# Altium PCB Sampling_Board.PcbDoc
Units mil, origin at the board's own origin, x right, y up, seen from the top; angles counter-clockwise.
Board outline 1653.54 x 1968.5 mil, 4 copper layers (Top Layer, GND, Power, Bottom Layer), stack 23.756 mil thick; 22 components, 50 nets, 170 pads, 145 vias.
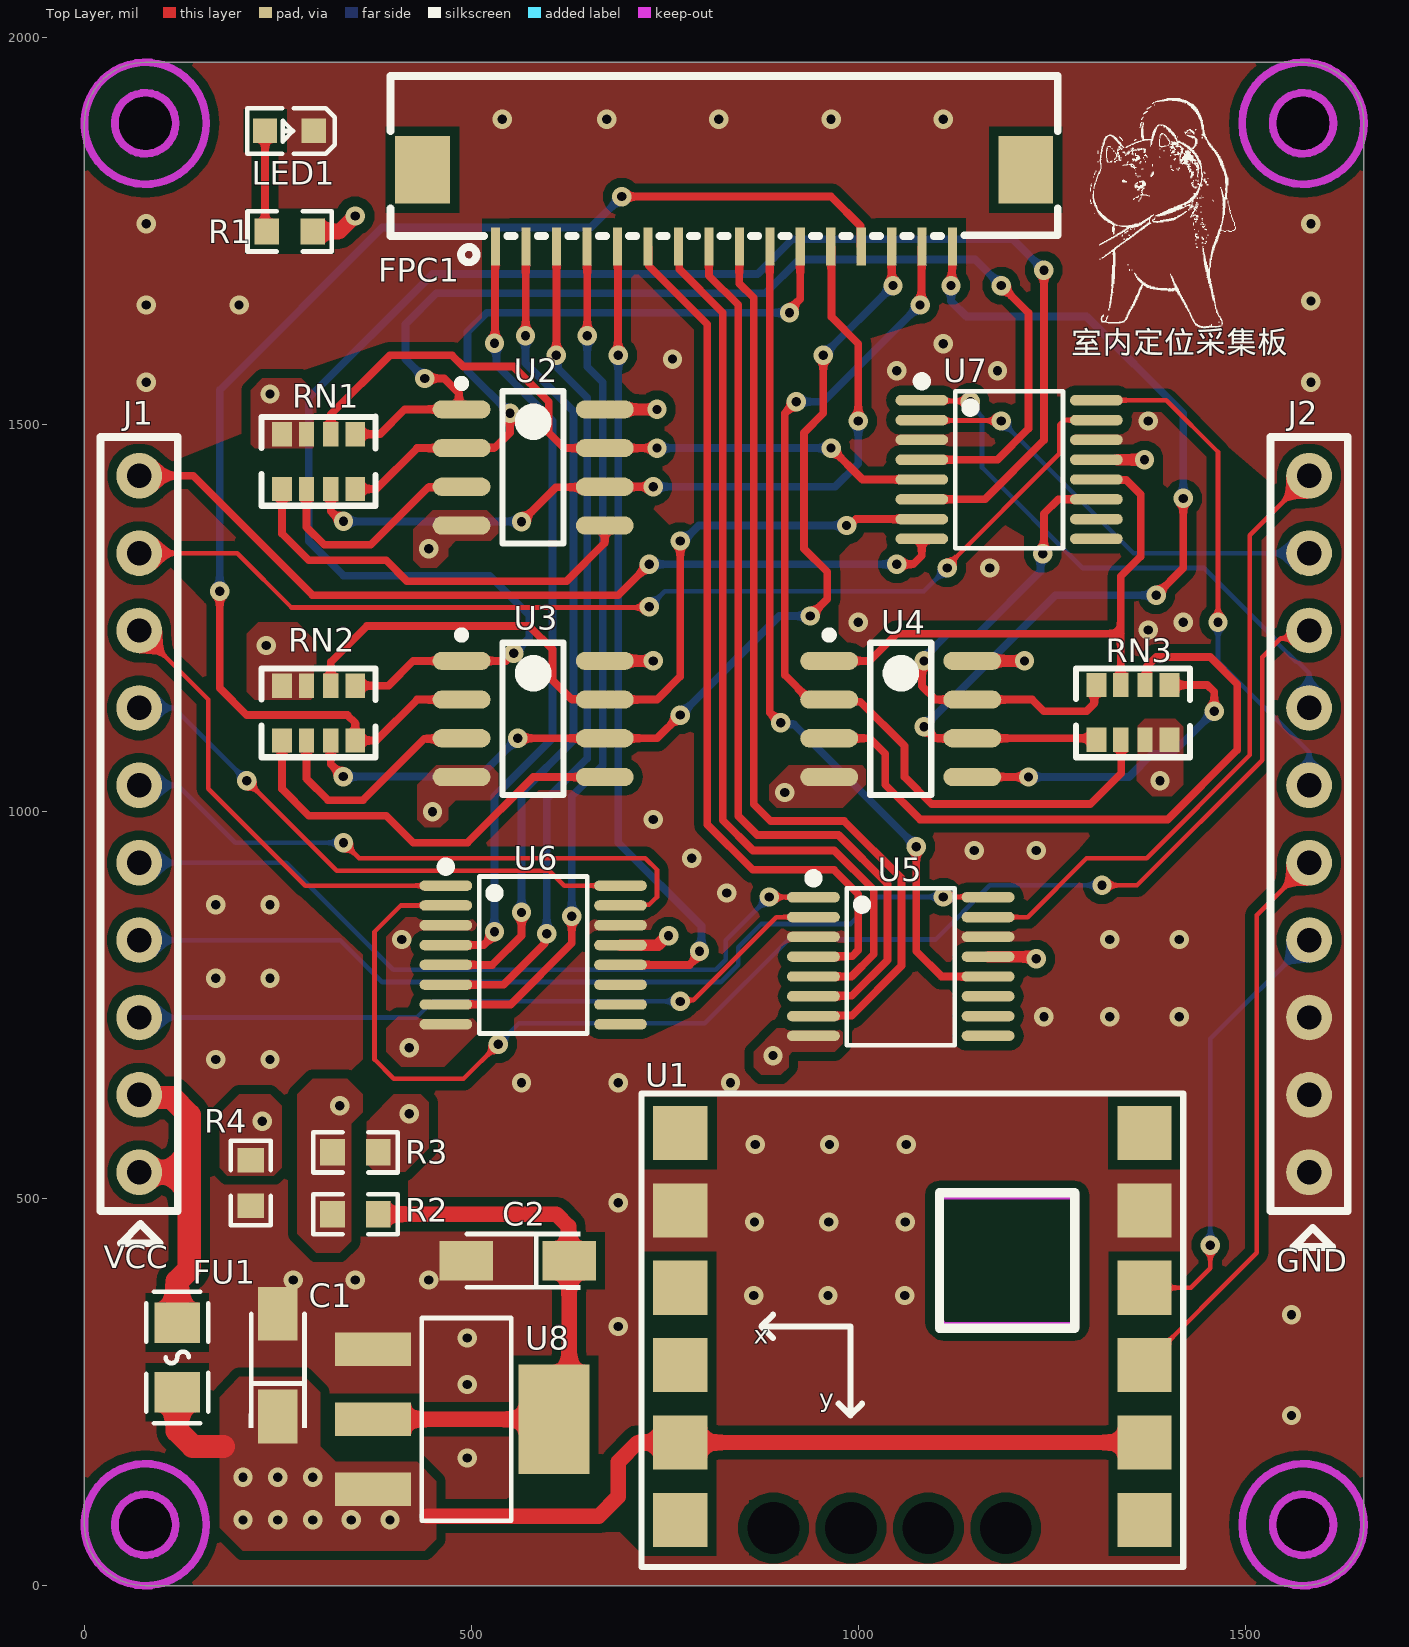
[diagram p0: Top Layer view]
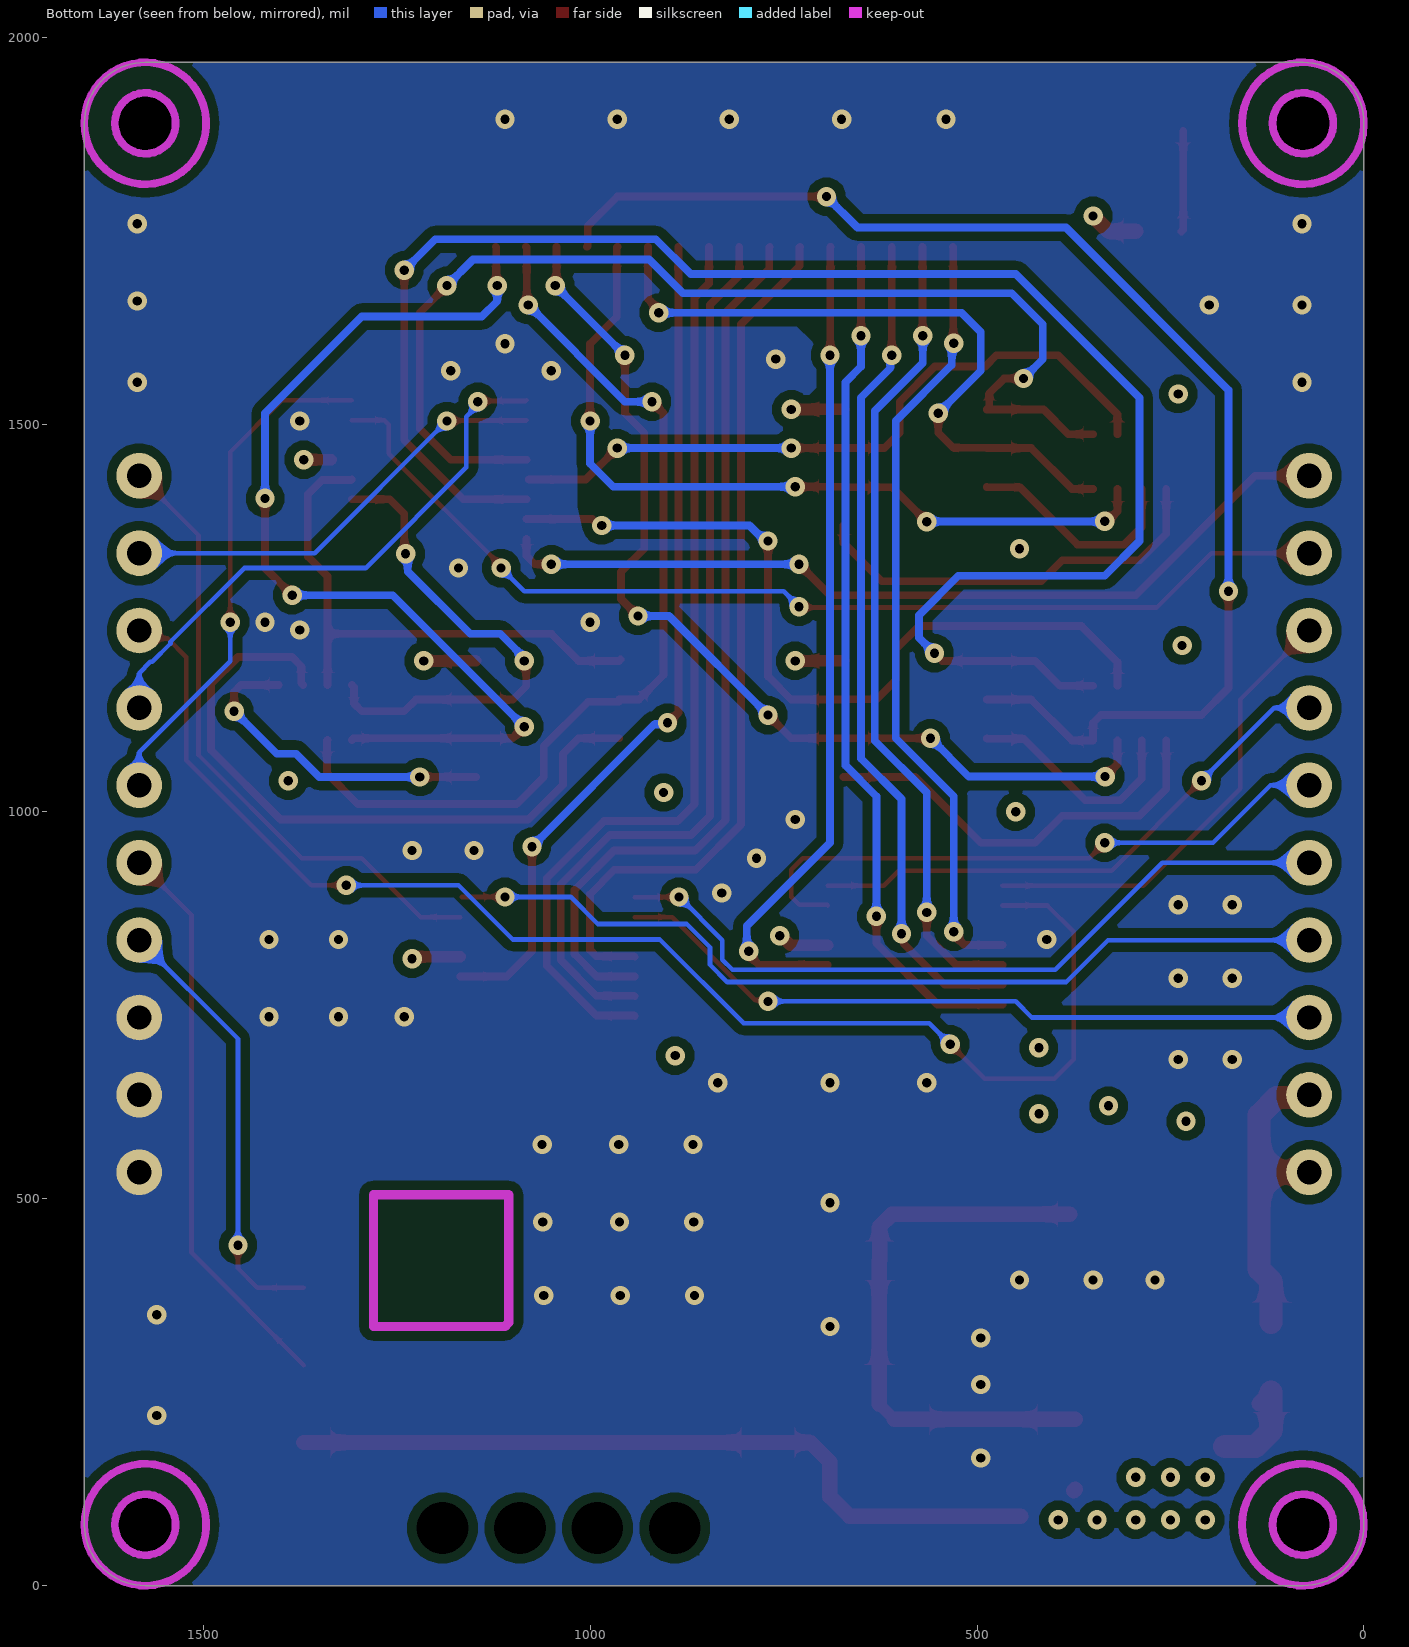
[diagram p1: Bottom Layer view, seen from below]
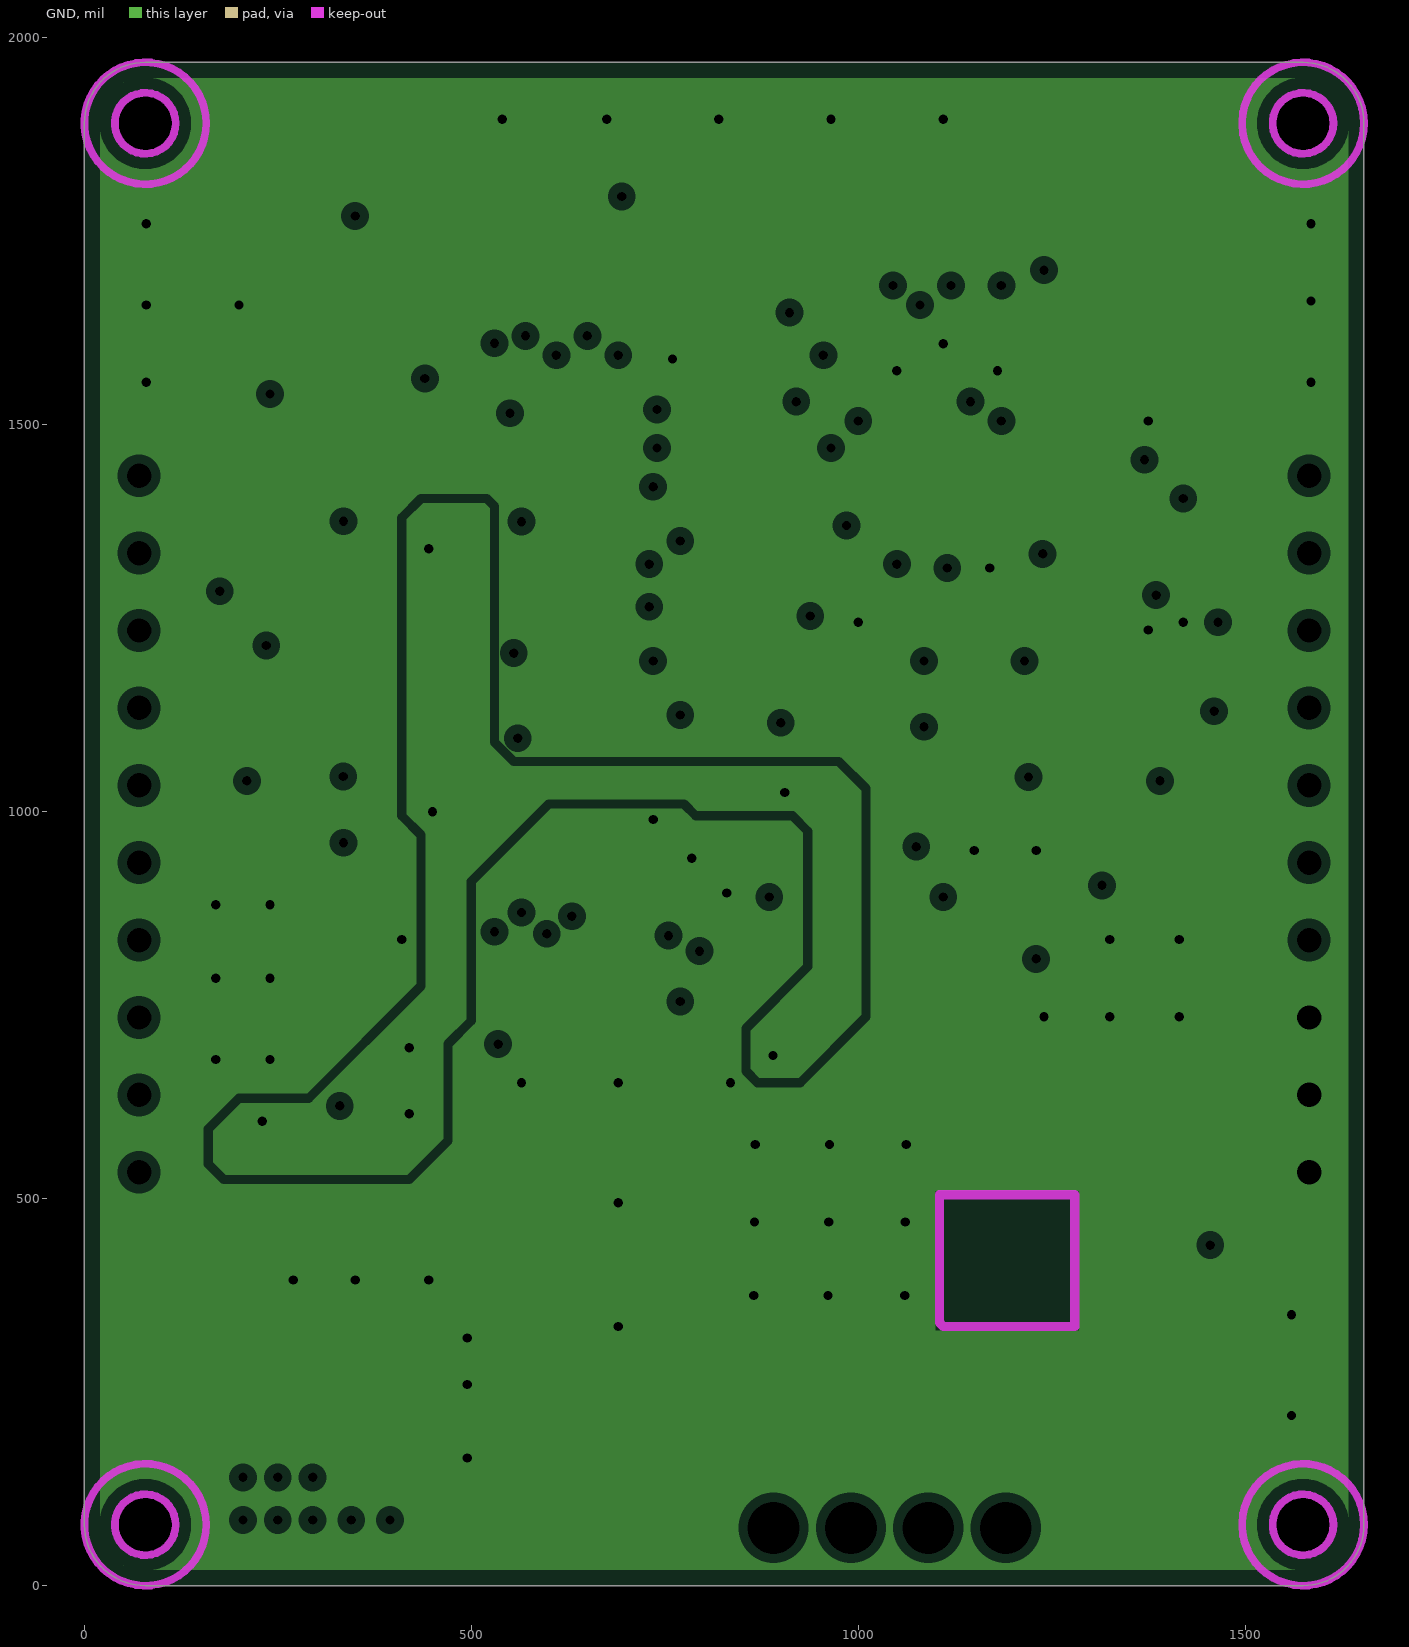
[diagram p2: GND, clearances drawn from the general rule]
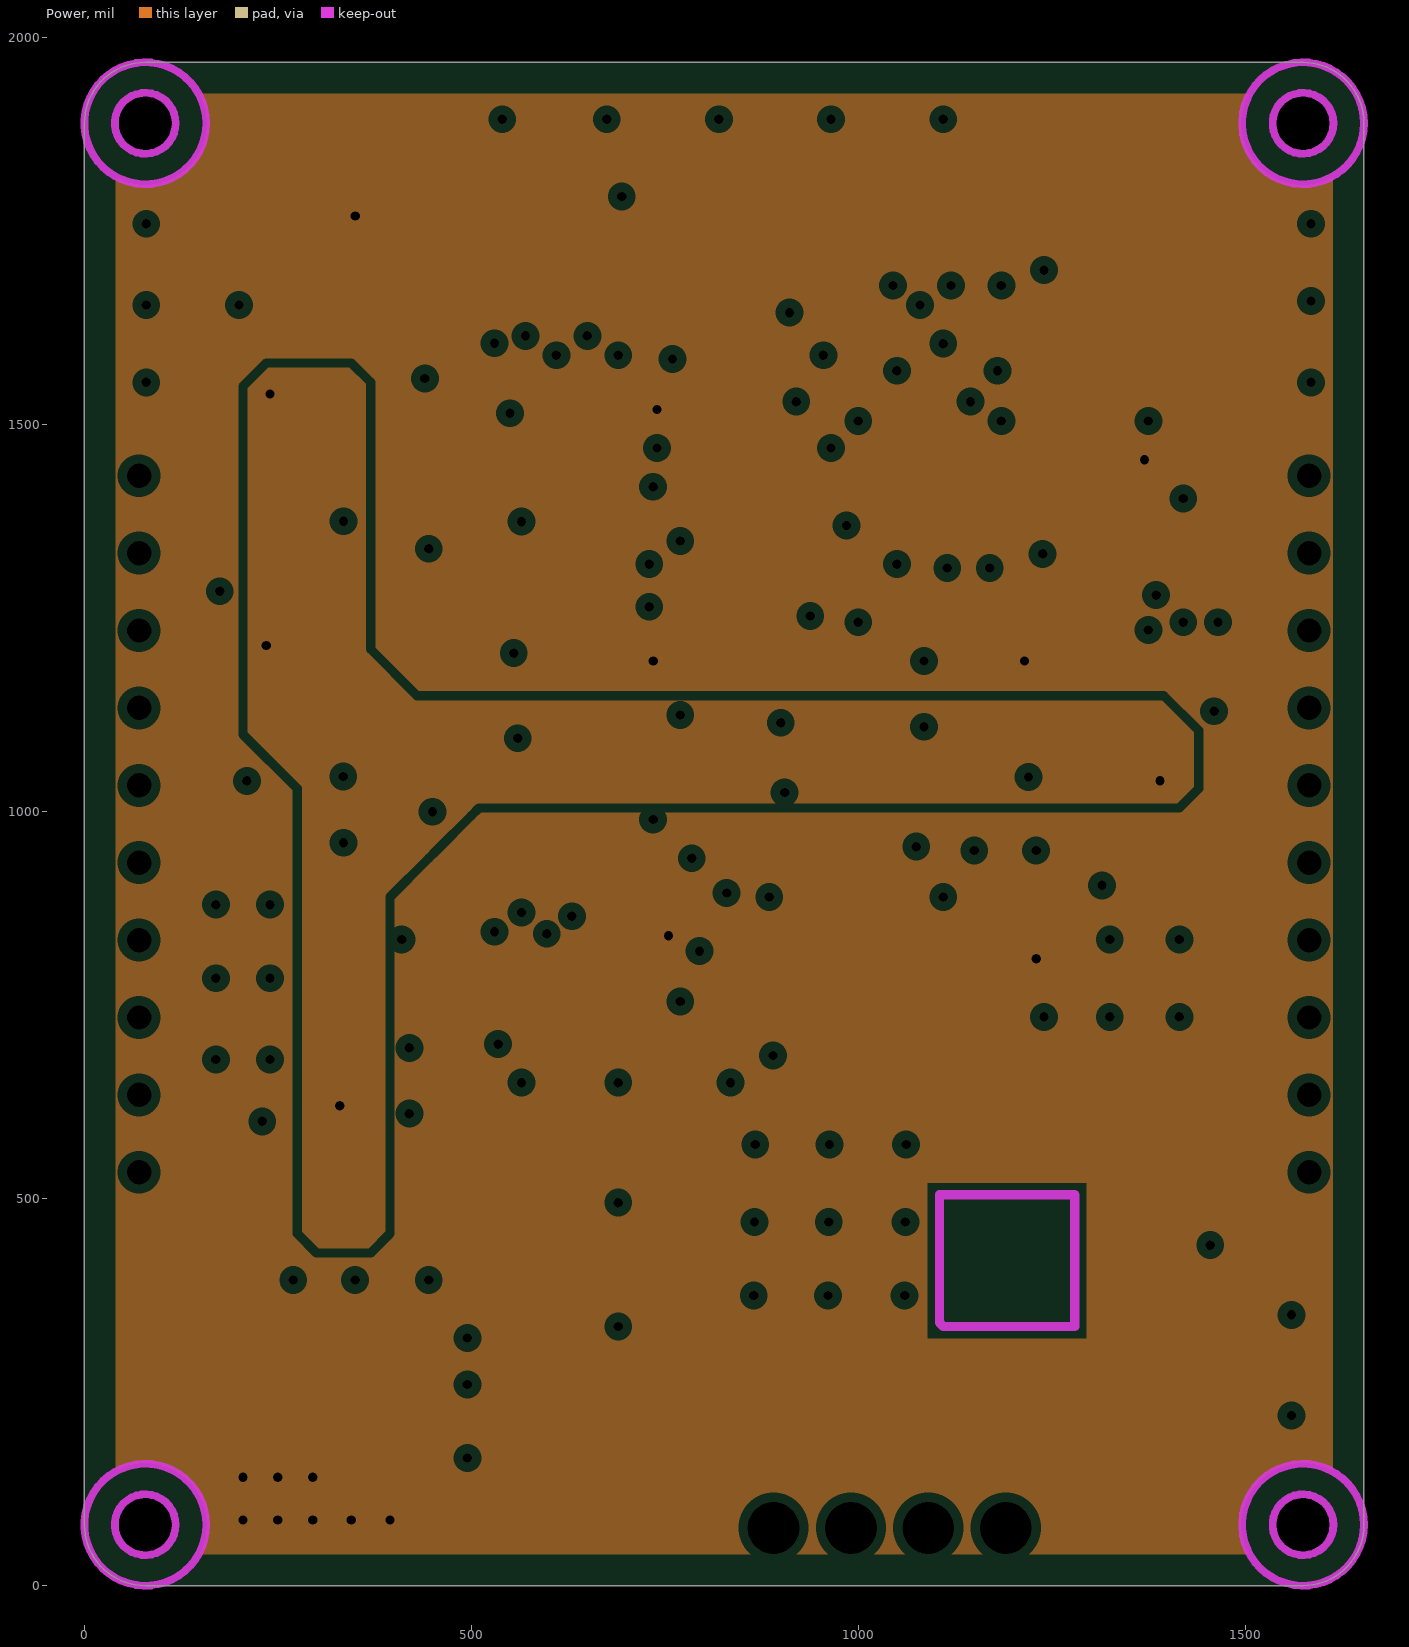
[diagram p3: Power, clearances drawn from the general rule]
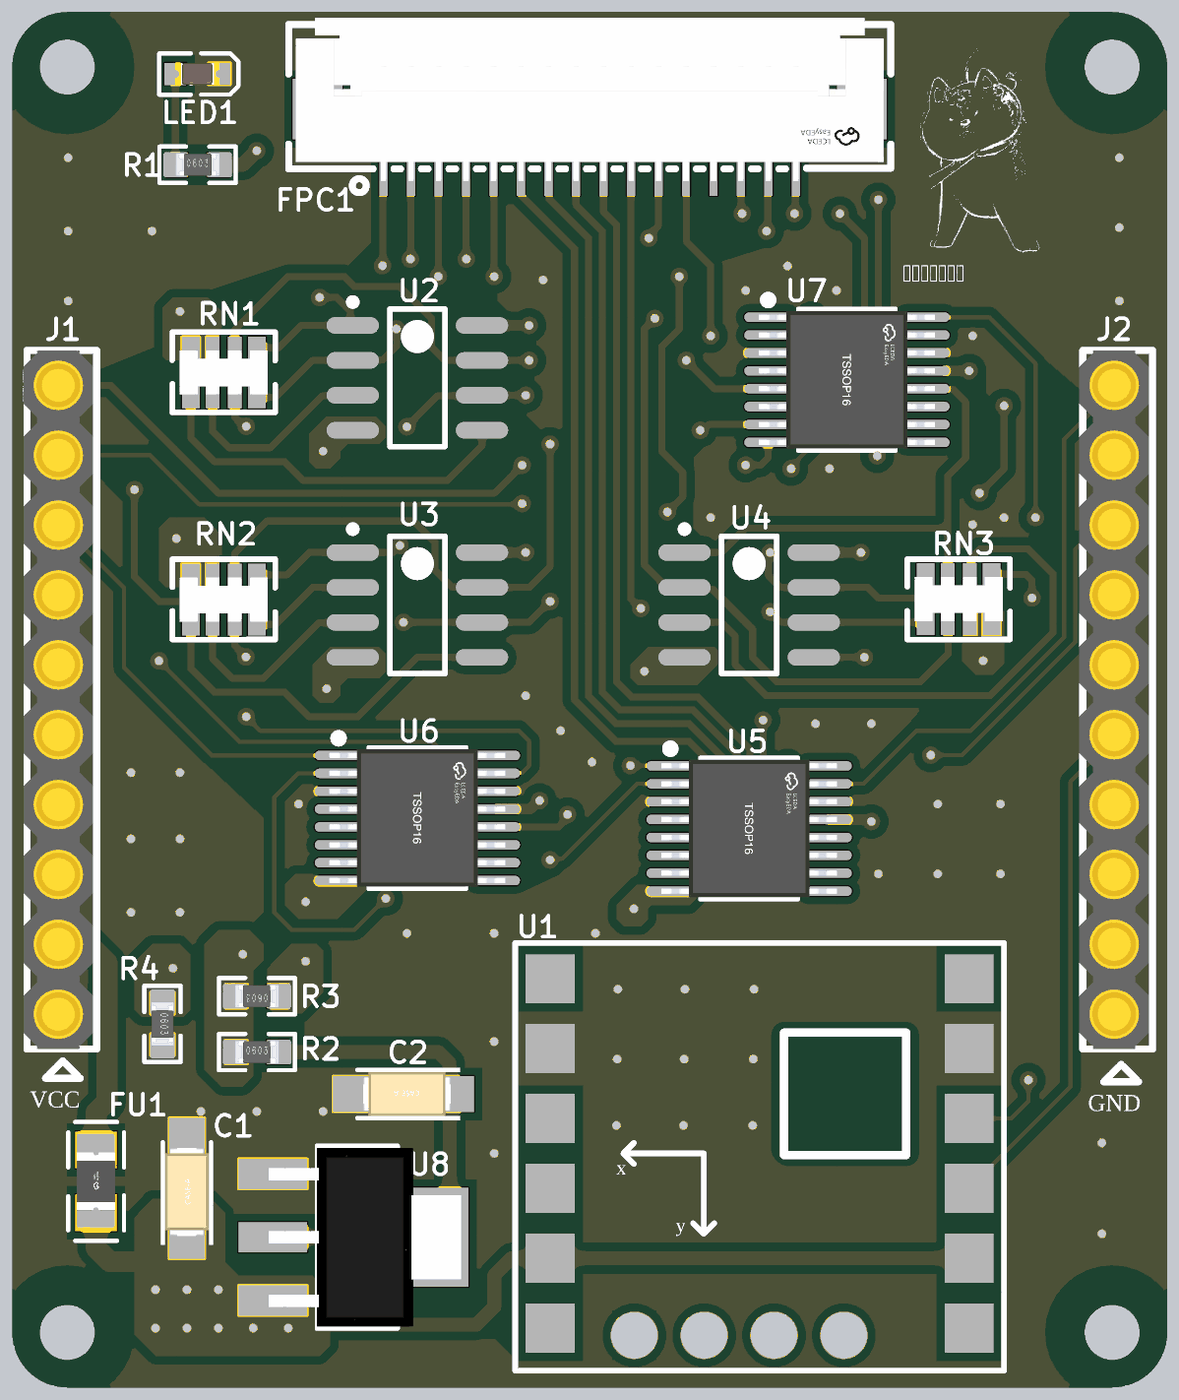
[diagram p4: 3D render of the assembled board from above, using the file's embedded part models]

## Layer stack, top to bottom
Top Solder: solder mask 0.4, Solder Resist, Dk 3.5
Top Layer: signal copper 1.4
Dielectric 2: prepreg 2.8, PP-006, Dk 4.1
GND: plane copper 1.378, net GND
Dielectric 1: dielectric 12.6, FR-4, Dk 4.8
Power: plane copper 1.378, net (Multiple Nets)
Dielectric 3: prepreg 2.8, PP-006, Dk 4.1
Bottom Layer: signal copper 1.4
Bottom Solder: solder mask 0.4, Solder Resist, Dk 3.5

## Board outline
78.74,0 cw(c78.74,78.74) 0,78.74 0,1889.76 cw(c78.74,1889.76) 78.74,1968.5 1574.8,1968.5 cw(c1574.8,1889.76) 1653.54,1889.76 1653.54,78.74 cw(c1574.8,78.74) 1574.8,0
cut-out: 78.74,39.37 cw(c78.74,78.74) 39.37,78.74 cw(c78.74,78.74) 78.74,118.11 cw(c78.74,78.74) 118.11,78.74 cw(c78.74,78.74)
cut-out: 1574.8,39.37 cw(c1574.8,78.74) 1535.43,78.74 cw(c1574.8,78.74) 1574.8,118.11 cw(c1574.8,78.74) 1614.17,78.74 cw(c1574.8,78.74)
cut-out: 1574.8,1850.39 cw(c1574.8,1889.76) 1535.43,1889.76 cw(c1574.8,1889.76) 1574.8,1929.13 cw(c1574.8,1889.76) 1614.17,1889.76 cw(c1574.8,1889.76)
cut-out: 78.74,1850.39 cw(c78.74,1889.76) 39.37,1889.76 cw(c78.74,1889.76) 78.74,1929.13 cw(c78.74,1889.76) 118.11,1889.76 cw(c78.74,1889.76)

## Design rules (kind name [scope] priority, off if disabled: settings)
Clearance Clearance_Singnal [InNetClass('Singnal') And (IsTrack Or IsArc) vs InNetClass('Singnal') And (IsTrack Or IsArc)] p1: gap=10 ignorepadtopadclearanceinfootprint=TRUE
Clearance Clearance_InPoly [InPoly] p2: gap=12 ignorepadtopadclearanceinfootprint=TRUE
Clearance [All] p3: gap=8 ignorepadtopadclearanceinfootprint=TRUE
HoleToHoleClearance [All] p1: gap=8 allowstackedmicrovias=TRUE
MinimumSolderMaskSliver [All] p1: minsoldermaskwidth=4
PlaneClearance [All] p1: clearance=12
PlaneConnect [All] p1: pad.planeconnectstyle=Relief pad.reliefexpansion=20 pad.reliefentries=4 pad.reliefconductorwidth=10 pad.reliefairgap=10 via.planeconnectstyle=Direct via.reliefexpansion=20 via.reliefentries=4 via.reliefconductorwidth=10 via.reliefairgap=10
PolygonConnect PolygonConnect_GND [All] p1: connectstyle=Direct reliefconductorwidth=10 reliefentries=4 polygonreliefangle="90 Angle" airgapwidth=10
PolygonConnect [OnBottomLayer Or OnBottomLayer vs IsVia] p2: connectstyle=Relief reliefconductorwidth=10 reliefentries=4 polygonreliefangle="90 Angle" airgapwidth=10
RoutingVias [All] p1: holewidth=12 width=25 viastyle="Through Hole" minholewidth=12 minwidth=25 maxholewidth=28 maxwidth=50
SilkToSilkClearance [All] p1: silktosilkclearance=2
SilkToSolderMaskClearance [IsPad] p1: minsilkscreentomaskgap=2 clearancetoexposedcopper=TRUE
SolderMaskExpansion [IsVia] p1: expansion=4 istentingtop=TRUE
Width Width_Analog [InNetClass('Analog')] p1: maxlimit=10 minlimit=10 preferedwidth=10
Width Width_PWR [InNetClass('PWR')] p2: maxlimit=30 minlimit=15 preferedwidth=20 minimp=50.000000 maximp=50.000000 favimp=50.000000
Width Width_GND [InNetClass('GND')] p3: maxlimit=50 minlimit=25 preferedwidth=25 minimp=50.000000 maximp=50.000000 favimp=50.000000
Width Width_Signal [InNetClass('Singnal')] p4: maxlimit=6 minlimit=6 preferedwidth=6 minimp=50.000000 maximp=50.000000 favimp=50.000000
24 further rules are at their usual default settings.

## Classes and differential pairs
net class Singnal: C0 C1 C2 IMU-RXD IMU-TXD INH1 INH2 INH3 R0 R1 R2 R3 R4 R5
net class GND: AGND GND
net class Analog: AMP1 AMP2 AMP3 AMP4 AMP5 AMP6 AOUT COM-C1 COM-C2 COM-C3 COM-C4 COM-C5 COM-C6 NetLED1_2 PS-X1 PS-X2 PS-X3 PS-X4 PS-X5 PS-X6 PS-Y1 PS-Y2 PS-Y3 PS-Y4 PS-Y5 PS-Y6 PS-Y7 PS-Y8 PS-Y9 PS-Y10
net class PWR: VCC-3.3 VCC-3.3IN Vref-1.2 Vref-in
